# KiCad board antmicro-hdmi-mipi-bridge-hw.kicad_pcb (continued)
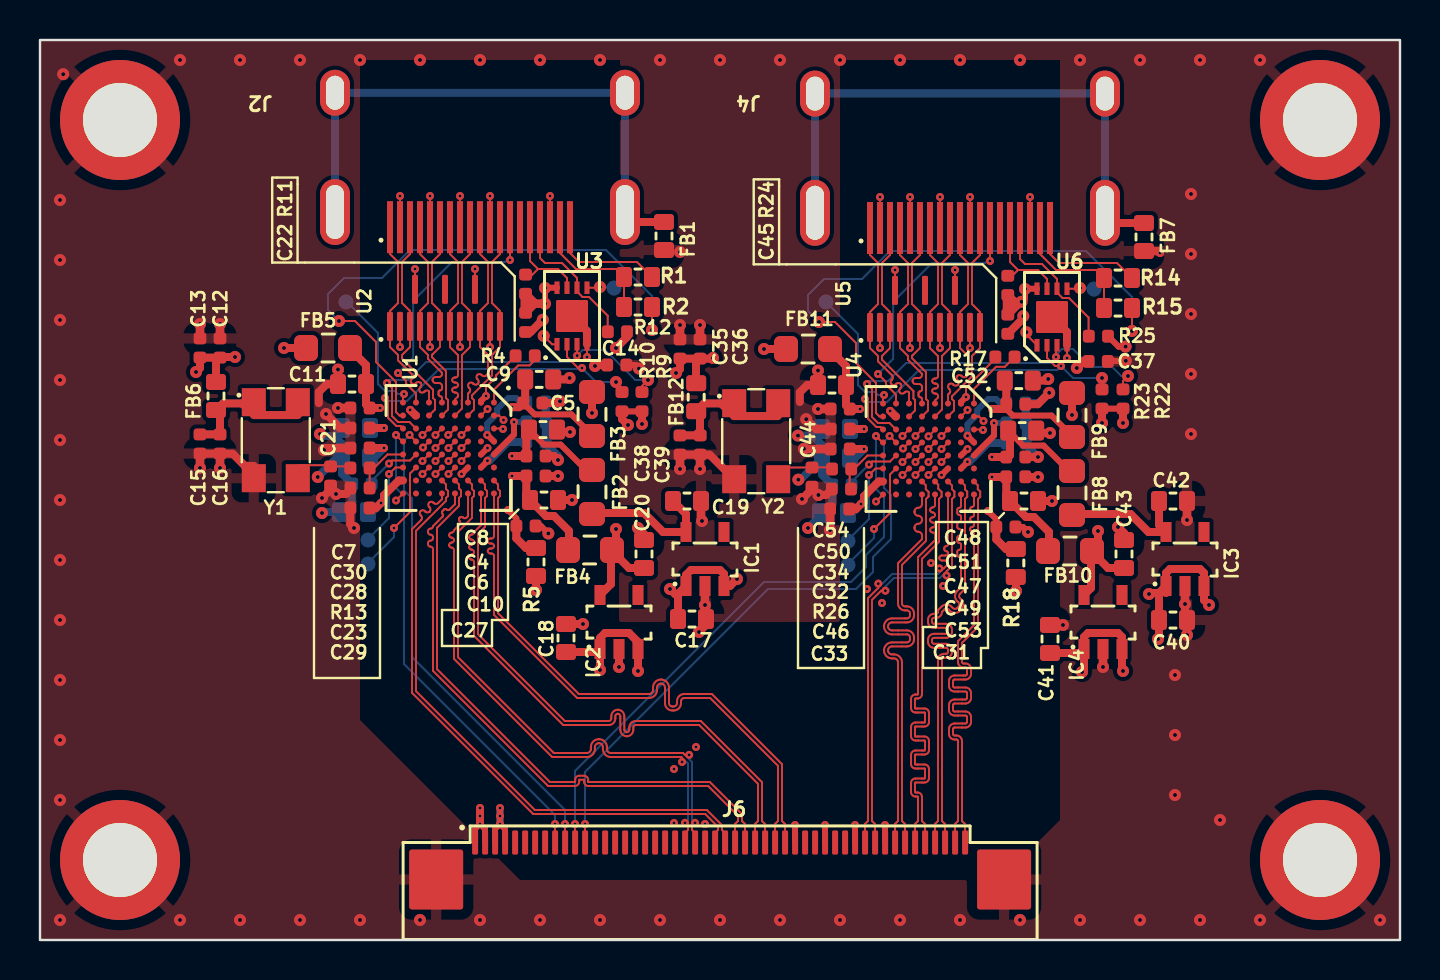
[diagram p0: board, top side]
## Library data of the parts (continued)
SP3 = -: Description: Spacer, SMT, Non Stop, Steel, Swage Round, 5.1 mm x 6 mm, M2.5 Thread, WA-SMSI Series; Author: Antmicro; License: Apache-2.0; MPN: 9774060151R; Manufacturer: Würth Elektronik; Public: False; Field10: License: Apache-2.0; Field11: Author: Antmicro
SP4 = -: Description: Spacer, SMT, Non Stop, Steel, Swage Round, 5.1 mm x 6 mm, M2.5 Thread, WA-SMSI Series; Author: Antmicro; License: Apache-2.0; MPN: 9774060151R; Manufacturer: Würth Elektronik; Public: False; Field9: Author: Antmicro; Field10: License: Apache-2.0
TP1 TP5 TP8 = -: Description: SMT test point; Author: Antmicro; License: Apache-2.0; Public: False; Field10: Author: Antmicro; Field11: License: Apache-2.0
TP2 = -: Description: SMT test point; Author: Antmicro; License: Apache-2.0; Public: False; Field10: License: Apache-2.0; Field12: Author: Antmicro
TP3 = -: Description: SMT test point; Author: Antmicro; License: Apache-2.0; Public: False; Field10: License: Apache-2.0; Field11: Author: Antmicro
TP4 TP6 TP7 = -: Description: SMT test point; Author: Antmicro; License: Apache-2.0; Public: False; Field11: Author: Antmicro; Field12: License: Apache-2.0
U1 = -: Description: HDMI to MIPI CSI-2 bridge. Supports HDMI 1.4. MIPI CSI-2 compliant. 80-Pin VFBGA; Author: Antmicro; License: Apache-2.0; Manufacturer: Toshiba; Field8: Author: Antmicro; Field9: License: Apache-2.0
U2 = -: Description: TVS diode array, 8 kV, R-PDSO-N15, 5.5 V, 0.8 pF; Author: Antmicro; License: Apache-2.0; Manufacturer: Texas Instruments; Field8: License: Apache-2.0; Field10: Author: Antmicro
U3 = -: Description: Level Translating I2C-Bus Repeater, 2 Inputs, 0.9 V to 5.5 V Supply, 50 mA Out, HWSON-8; Author: Antmicro; License: Apache-2.0; Manufacturer: NXP; Field8: .; Field9: Author: Antmicro; Field11: License: Apache-2.0
U4 = -: Description: HDMI to MIPI CSI-2 bridge. Supports HDMI 1.4. MIPI CSI-2 compliant. 80-Pin VFBGA; Author: Antmicro; License: Apache-2.0; Manufacturer: Toshiba; Field8: Author: Antmicro; Field10: License: Apache-2.0
U5 = -: Description: TVS diode array, 8 kV, R-PDSO-N15, 5.5 V, 0.8 pF; Author: Antmicro; License: Apache-2.0; Manufacturer: Texas Instruments; Field8: Author: Antmicro; Field9: License: Apache-2.0
U6 = -: Description: Level Translating I2C-Bus Repeater, 2 Inputs, 0.9 V to 5.5 V Supply, 50 mA Out, HWSON-8; Author: Antmicro; License: Apache-2.0; Manufacturer: NXP; Field8: .; Field10: License: Apache-2.0; Field11: Author: Antmicro
Y1 = -: Description: Oscillator, 27 MHz, 50 ppm, SMT, 5mm x 3.2mm, 3.3 V, 7C Series; Author: Antmicro; License: Apache-2.0; MPN: 7C-27.000MBB-T; Manufacturer: TXC; Public: False; Val: 27 MHz; Field11: License: Apache-2.0; Field12: Author: Antmicro
Y2 = -: Description: Oscillator, 27 MHz, 50 ppm, SMT, 5mm x 3.2mm, 3.3 V, 7C Series; Author: Antmicro; License: Apache-2.0; MPN: 7C-27.000MBB-T; Manufacturer: TXC; Public: False; Val: 27 MHz; Field10: License: Apache-2.0; Field12: Author: Antmicro

## Footprints (pads in the part's own frame, mm; a bottom-side part is the same pattern mirrored in y, then rotated)
BGA-64_8x8_6.0x6.0mm
  round 0.3 smd: A1(-2.275,2.275) A2(-1.625,2.275) A3(-0.975,2.275) A4(-0.326,2.275) A5(0.325,2.275) A6(0.974,2.275) A7(1.624,2.275) A8(2.274,2.275) B1(-2.275,1.625) B2(-1.625,1.625) B3(-0.975,1.625) B4(-0.326,1.625) B5(0.325,1.625) B6(0.974,1.625) B7(1.624,1.625) B8(2.274,1.625) C1(-2.275,0.975) C2(-1.625,0.975) C3(-0.975,0.975) C4(-0.326,0.975) C5(0.325,0.975) C6(0.974,0.975) C7(1.624,0.975) C8(2.274,0.975) D1(-2.275,0.326) D2(-1.625,0.326) D3(-0.975,0.326) D4(-0.326,0.326) D5(0.325,0.326) D6(0.974,0.326) D7(1.624,0.326) D8(2.274,0.326) E1(-2.275,-0.325) E2(-1.625,-0.325) E3(-0.975,-0.325) E4(-0.326,-0.325) E5(0.325,-0.325) E6(0.974,-0.325) E7(1.624,-0.325) E8(2.274,-0.325) F1(-2.275,-0.974) F2(-1.625,-0.974) F3(-0.975,-0.974) F4(-0.326,-0.974) F5(0.325,-0.974) F6(0.974,-0.974) F7(1.624,-0.974) F8(2.274,-0.974) G1(-2.275,-1.624) G2(-1.625,-1.624) G3(-0.975,-1.624) G4(-0.326,-1.624) G5(0.325,-1.624) G6(0.974,-1.624) G7(1.624,-1.624) G8(2.274,-1.624) H1(-2.275,-2.274) H2(-1.625,-2.274) H3(-0.975,-2.274) H4(-0.326,-2.274) H5(0.325,-2.274) H6(0.974,-2.274) H7(1.624,-2.274) H8(2.274,-2.274)
C_0402_1005Metric
  rrect 0.59x0.64 smd: 1(-0.48,0) 2(0.48,0)
C_0603_1608Metric
  rrect 0.8x1 smd: 1(-0.7,0) 2(0.7,0)
Conn_FFC_WE_68715014x22
  rrect 0.3x1.2 smd: 1(-12.25,2.15) 2(-11.75,2.15) 3(-11.25,2.15) 4(-10.75,2.15) 5(-10.25,2.15) 6(-9.75,2.15) 7(-9.25,2.15) 8(-8.75,2.15) 9(-8.25,2.15) 10(-7.75,2.15) 11(-7.25,2.15) 12(-6.75,2.15) 13(-6.25,2.15) 14(-5.75,2.15) 15(-5.25,2.15) 16(-4.75,2.15) 17(-4.25,2.15) 18(-3.75,2.15) 19(-3.25,2.15) 20(-2.75,2.15) 21(-2.25,2.15) 22(-1.75,2.15) 23(-1.25,2.15) 24(-0.75,2.15) 25(-0.25,2.15) 26(0.248,2.15) 27(0.748,2.15) 28(1.249,2.15) 29(1.749,2.15) 30(2.249,2.15) 31(2.749,2.15) 32(3.249,2.15) 33(3.749,2.15) 34(4.248,2.15) 35(4.748,2.15) 36(5.248,2.15) 37(5.749,2.15) 38(6.249,2.15) 39(6.749,2.15) 40(7.249,2.15) 41(7.749,2.15) 42(8.249,2.15) 43(8.749,2.15) 44(9.249,2.15) 45(9.749,2.15) 46(10.249,2.15) 47(10.749,2.15) 48(11.249,2.15) 49(11.749,2.15) 50(12.249,2.15)
  rrect 2.7x3 smd: MP1(-14.198,0.3) MP2(14.198,0.3)
FB_0603_1608Metric
  rrect 0.8x1 smd: 1(-0.7,0) 2(0.7,0)
FB_0805_2012Metric
  rrect 1.2x1.3 smd: 1(-1.1,0) 2(1.1,0)
HDMI-A_Receptacle_Molex_471511001
  rect 0.3x2.6 smd: 1(4.499,5.056) 2(3.999,5.056) 3(3.499,5.056) 4(2.999,5.056) 5(2.499,5.056) 6(1.999,5.056) 7(1.499,5.056) 8(0.998,5.056) 9(0.498,5.056) 10(0,5.056) 11(-0.5,5.056) 12(-1.002,5.056) 13(-1.5,5.056) 14(-2.001,5.056) 15(-2.501,5.056) 16(-3,5.056) 17(-3.501,5.056) 18(-4,5.056) 19(-4.502,5.056)
  oval 1.5x3.3 hole 0.9x2.7: SH(-7.25,4.297) SH(7.249,4.297)
  oval 1.5x2.3 hole 0.9x1.7: SH(-7.25,-1.664) SH(7.249,-1.664)
Oscillator_SMD_TXC_7C_5x3.2x1.2mm
  rect 1.2x1.4 smd: 1(-1.099,1.9) 2(-1.1,-1.9) 3(1.099,-1.9) 4(1.1,1.9)
R-PDSO-N15
  rrect 1.45x0.3 smd: 1(-0.95,2.75) 2(-0.95,2.25) 3(-0.95,1.75) 4(-0.95,1.25) 5(-0.95,0.75) 6(-0.95,0.25) 7(-0.95,-0.247) 8(-0.95,-0.747) 9(-0.95,-1.249) 10(-0.95,-1.749) 11(-0.95,-2.249) 12(-0.95,-2.749) 13(0.901,-1.499) 14(0.901,0) 15(0.901,1.5)
R_0402_1005Metric
  rrect 0.59x0.64 smd: 1(-0.48,0) 2(0.48,0)
R_0603_1608Metric
  rrect 0.8x1 smd: 1(-0.7,0) 2(0.7,0)
SOT1069-2
  rect 0.25x0.625 smd: 1(-0.75,-1.411) 2(-0.25,-1.411) 3(0.25,-1.411) 4(0.75,-1.411) 5(0.75,1.414) 6(0.25,1.414) 7(-0.25,1.414) 8(-0.75,1.414)
  rrect 1.6x1.6 smd: 9(0,0)
SOT-23-5
  rect 1x0.55 smd: 1(-1.351,0.951) 2(-1.351,0) 3(-1.351,-0.949) 4(1.35,-0.949) 5(1.35,0.951)
Spacer_Drill3.7mm_H6mm_9774060151R
  custom 2.563x2.563 smd: (-1.71,-1.699) (-1.71,1.71) (1.699,-1.699) (1.699,1.71)
  round 6 hole 3.7: 1(-0.001,0)
TP_SMD_0.75mm
  round 0.75 smd: 1(0,0)

## Nets
+3V3: C12.2 C13.2 C14.1 C17.2 C18.2 C35.2 C36.2 C37.1 C40.2 C41.2 FB6.1 FB12.1 IC1.1 IC1.3 IC2.1 IC2.3 IC3.1 IC3.3 IC4.1 IC4.3 J6.3 J6.4 R3.2 R6.2 R7.2 R8.2 R9.2 R10.2 R16.2 R19.2 R20.2 R21.2 R22.2 R23.2 U2.13 U2.15 U3.1 U5.13 U5.15 U6.1
+5V: C22.2 C45.2 J6.1 J6.2 R11.2 R12.2 R24.2 R25.2 U3.8 U6.8
GND: C1.1 C2.1 C3.1 C4.2 C5.2 C6.2 C7.2 C8.1 C9.1 C10.1 C11.1 C12.1 C13.1 C14.2 C15.1 C16.1 C17.1 C18.1 C19.1 C20.1 C21.1 C22.1 C23.1 C24.1 C25.1 C26.1 C27.1 C28.1 C29.1 C30.1 C31.1 C32.1 C33.1 C34.1 C35.1 C36.1 C37.2 C38.1 C39.1 C40.1 C41.1 C42.1 C43.1 C44.1 C45.1 C46.1 C47.2 C48.2 C49.2 C50.2 C51.1 C52.1 C53.1 C54.1 FB1.1 FB7.1 IC1.2 IC2.2 IC3.2 IC4.2 J2.2 J2.5 J2.8 J2.11 J2.17 J4.2 J4.5 J4.8 J4.11 J4.17 J6.33 J6.36 J6.39 J6.42 J6.MP1 J6.MP2 SP1.1 SP2.1 SP3.1 SP4.1 U1.A2 U1.A3 U1.C4 U1.C5 U1.D4 U1.D5 U1.D6 U1.E3 U1.E4 U1.E5 U1.E6 U1.H8 U2.2 U2.5 U2.8 U2.11 U3.4 U3.9 U4.A2 U4.A3 U4.C4 U4.C5 U4.D4 U4.D5 U4.D6 U4.E3 U4.E4 U4.E5 U4.E6 U4.H8 U5.2 U5.5 U5.8 U5.11 U6.4 U6.9 Y1.2 Y2.2
/Channel 1/CH1_AVDD33: C30.2 R4.2 R8.1 U1.B1 U1.F3
/Channel 1/CH1_REFCLK: C23.2 R13.2 U1.H5
/Channel 1/CH1_~{RST}: R3.1 U1.G5
/Channel 1/DUMMY1: J2.14
/Channel 1/HDMI1_CEC: J2.13 U1.G1
/Channel 1/HDMI1_CLK_N: J2.12 U1.C2 U2.12
/Channel 1/HDMI1_CLK_P: J2.10 U1.C1 U2.10
/Channel 1/HDMI1_D0_N: J2.9 U1.D2 U2.9
/Channel 1/HDMI1_D0_P: J2.7 U1.D1 U2.7
/Channel 1/HDMI1_D1_N: J2.6 U1.E2 U2.6
/Channel 1/HDMI1_D1_P: J2.4 U1.E1 U2.4
/Channel 1/HDMI1_D2_N: J2.3 U1.F2 U2.3
/Channel 1/HDMI1_D2_P: J2.1 U1.F1 U2.1
/Channel 1/HDMI1_DDC_SCL: J2.15 R11.1 U3.7
/Channel 1/HDMI1_DDC_SCL_3V3: R10.1 U1.H3 U3.2
/Channel 1/HDMI1_DDC_SDA: J2.16 R12.1 U3.6
/Channel 1/HDMI1_DDC_SDA_3V3: R9.1 U1.G3 U3.3
/Channel 1/HDMI1_HPD: J2.19 R1.2
/Channel 1/HDMI1_HPDI: R2.2 U1.H2
/Channel 1/HDMI1_HPDO: TP3.1 U1.H1
/Channel 1/HDMI1_POWER: J2.18 R1.1 R2.1
/Channel 2/CH2_AVDD33: C34.2 R17.2 R21.1 U4.B1 U4.F3
/Channel 2/CH2_REFCLK: C46.2 R26.2 U4.H5
/Channel 2/CH2_~{RST}: R16.1 U4.G5
/Channel 2/DUMMY2: J4.14
/Channel 2/HDMI2_CEC: J4.13 U4.G1
/Channel 2/HDMI2_CLK_N: J4.12 U4.C2 U5.12
/Channel 2/HDMI2_CLK_P: J4.10 U4.C1 U5.10
/Channel 2/HDMI2_D0_N: J4.9 U4.D2 U5.9
/Channel 2/HDMI2_D0_P: J4.7 U4.D1 U5.7
/Channel 2/HDMI2_D1_N: J4.6 U4.E2 U5.6
/Channel 2/HDMI2_D1_P: J4.4 U4.E1 U5.4
/Channel 2/HDMI2_D2_N: J4.3 U4.F2 U5.3
/Channel 2/HDMI2_D2_P: J4.1 U4.F1 U5.1
/Channel 2/HDMI2_DDC_SCL: J4.15 R24.1 U6.7
/Channel 2/HDMI2_DDC_SCL_3V3: R23.1 U4.H3 U6.2
/Channel 2/HDMI2_DDC_SDA: J4.16 R25.1 U6.6
/Channel 2/HDMI2_DDC_SDA_3V3: R22.1 U4.G3 U6.3
/Channel 2/HDMI2_HPD: J4.19 R14.2
/Channel 2/HDMI2_HPDI: R15.2 U4.H2
/Channel 2/HDMI2_HPDO: TP7.1 U4.H1
/Channel 2/HDMI2_POWER: J4.18 R14.1 R15.1
/CSI/CSI2_CLK_N: J6.38
/CSI/CSI2_CLK_P: J6.37
/CSI/CSI2_D1_N: J6.35
/CSI/CSI2_D1_P: J6.34
/CSI/GPIO1: J6.20
/CSI/GPIO2: J6.19
/CSI/GPIO3: J6.18
/CSI/GPIO4: J6.17
/CSI/SPI_CS: J6.5
/CSI/SPI_MISO: J6.7
/CSI/SPI_MOSI: J6.6
/CSI/SPI_SCK: J6.8
/CSI/UART3_RX: J6.15
/CSI/UART3_TX: J6.16
/CSI/UART4_RX: J6.13
/CSI/UART4_TX: J6.14
CH1_1V2: C20.2 FB3.2 FB4.2 FB5.2 IC2.5
CH1_2V5: C19.2 FB2.2 IC1.5
CH2_1V2: C43.2 FB9.2 FB10.2 FB11.2 IC4.5
CH2_2V5: C42.2 FB8.2 IC3.5
CSI1_CLK_N: J6.23 U1.C7
CSI1_CLK_P: J6.22 U1.C8
CSI1_D1_N: J6.26 U1.E7
CSI1_D1_P: J6.25 U1.E8
CSI1_D2_N: J6.28 U1.D7
CSI1_D2_P: J6.27 U1.D8
CSI1_D3_N: J6.30 U1.B7
CSI1_D3_P: J6.29 U1.B8
CSI1_D4_N: J6.32 U1.A7
CSI1_D4_P: J6.31 U1.A8
CSI3_CLK_N: J6.41 U4.C7
CSI3_CLK_P: J6.40 U4.C8
CSI3_D1_N: J6.44 U4.E7
CSI3_D1_P: J6.43 U4.E8
CSI3_D2_N: J6.46 U4.D7
CSI3_D2_P: J6.45 U4.D8
CSI3_D3_N: J6.48 U4.B7
CSI3_D3_P: J6.47 U4.B8
CSI3_D4_N: J6.50 U4.A7
CSI3_D4_P: J6.49 U4.A8
I2C1_SCL: J6.9 U1.H4
I2C1_SDA: J6.10 U1.G4
I2C3_SCL: J6.11 U4.H4
I2C3_SDA: J6.12 U4.G4
Net-(C5-Pad1): C5.1 C9.2 FB3.1 U1.B2 U1.D3
Net-(C10-Pad2): C6.1 C10.2 FB4.1 U1.C6 U1.F6
Net-(C27-Pad2): C27.2 R5.1 U1.C3 U1.F5
Net-(C31-Pad2): C31.2 R18.1 U4.C3 U4.F5
Net-(C48-Pad1): C48.1 C52.2 FB9.1 U4.B2 U4.D3
Net-(C49-Pad1): C49.1 C53.2 FB10.1 U4.C6 U4.F6
Net-(FB1-Pad2): FB1.2 J2.SH
Net-(FB7-Pad2): FB7.2 J4.SH
Net-(U1A-EDID_SCL): TP2.1 U1.H6
Net-(U1A-EDID_SDA): TP1.1 U1.G6
Net-(U1B-AVDD25): C4.1 C8.2 FB2.1 U1.B5
Net-(U1B-REXT): R4.1 U1.A1
Net-(U1B-VDDC1): C7.1 C11.2 FB5.1 R5.2 U1.G2
Net-(U1B-VDDIO1): C28.2 R6.1 U1.F4
Net-(U1B-VDDIO2): C29.2 R7.1 U1.H7
Net-(U1C-BIASDA): C1.2 U1.A4
Net-(U1C-DAOUT): C2.2 U1.A5
Net-(U1C-PCKIN): C3.2 U1.B6
Net-(U3-EN): TP4.1 U3.5
Net-(U4A-EDID_SCL): TP6.1 U4.H6
Net-(U4A-EDID_SDA): TP5.1 U4.G6
Net-(U4B-AVDD25): C47.1 C51.2 FB8.1 U4.B5
Net-(U4B-REXT): R17.1 U4.A1
Net-(U4B-VDDC1): C50.1 C54.2 FB11.1 R18.2 U4.G2
Net-(U4B-VDDIO1): C32.2 R19.1 U4.F4
Net-(U4B-VDDIO2): C33.2 R20.1 U4.H7
Net-(U4C-BIASDA): C24.2 U4.A4
Net-(U4C-DAOUT): C25.2 U4.A5
Net-(U4C-PCKIN): C26.2 U4.B6
Net-(U6-EN): TP8.1 U6.5
Net-(Y1-EN): C15.2 C16.2 FB6.2 Y1.1 Y1.4
Net-(Y1-OUT): C21.2 R13.1 Y1.3
Net-(Y2-EN): C38.2 C39.2 FB12.2 Y2.1 Y2.4
Net-(Y2-OUT): C44.2 R26.1 Y2.3

Pads without a net: IC1 4; IC2 4; IC3 4; IC4 4; J6 21 24; U1 A6 B3 B4 F7 F8 G7 G8; U2 14; U4 A6 B3 B4 F7 F8 G7 G8; U5 14

## Via types
v1: diameter 0.4, hole 0.15, Top to Bottom, 147 vias
v2: diameter 0.6, hole 0.2, Top to Bottom, 165 vias

## Routing (per net, layer and track width the routed paths; a pad name or vN(x,y) marks a point on that pad's centre or on a via; arc(x,y) is an arc through that point)
+3V3: length 68.6
  Top w0.1: v2(49.32,30.39) 49.32,30.27 U6.1 49.85,29.74 ; 18.75,32.53 v1(18.75,33.55) ; 21.75,32.53 v1(21.75,33.55) ; 42.75,32.47 v1(42.75,33.5) ; 45.75,32.47 v1(45.75,33.5) ; U3.1 25.6,29.79 v2(25.18,30.21)
  Top w0.3: 29.1,26.43 30.1,26.43 ; v1(23,5.8) 22.75,5.55 22.75,4.9 ; v1(23,5.8) 23.25,5.55 23.25,4.9 ; v1(23,5.8) v1(23,6.2) v1(23,6.6) ; 53.1,26.56 54.15,26.56
  Top w0.4: C18.2 27.85,14.4 28,14.55 ; 28,14.55 v2(28,13.5) ; 28,14.55 28,15.1 28.25,15.35 29.45,15.35 29.9,14.9 v2(29.9,13.45) ; v2(9.75,29.15) 9.03,29.15 ; v2(52.1,13.4) 52.2,13.5 52.2,14.55 ; 52.2,14.55 52.2,15.15 52.4,15.35 53.9,15.35 54.1,15.15 54.1,13.5 v2(54.15,13.45) ; 52.2,14.55 52,14.35 C41.2 ; 31.9,17.3 31.75,17.3 v2(31.5,17.55) ; 31.9,17.3 C17.2 ; 31.9,17.3 IC1.1 32.3,18.25 32.55,18.5 34,18.5 34.2,18.3 IC1.3 34.5,17.7 v2(34.85,18.05) ; 28.31,28.75 27.8,28.75 v2(27.75,28.7) ; 33,29.06 32,29.06 32,28.55 v2(31.8,28.35) ; 33,29.06 32.8,28.86 32.8,27.88 ; 33,29.06 33.62,29.06 v2(33.65,29.1) ; 54.15,26.56 v2(54.15,25.85) ; 29.1,26.43 29.1,26.05 v2(29.4,25.75) ; 8.8,27.92 8.8,28.92 9,29.11 8,29.11 8,28.6 v2(7.8,28.4) ; v2(55.9,15.05) 55.95,15.1 C40.2 55.95,17.35 ; 55.95,17.35 55.5,17.35 v2(55.45,17.3) ; 55.95,17.35 IC3.1 ; IC3.1 56.3,17.35 ; IC3.1 56.3,18.35 56.5,18.55 58,18.55 58.2,18.35 IC3.3 58.2,17 v2(58.45,16.75) ; 30.1,26.43 v2(30.1,25.8) ; v2(51.84,28.6) 52.19,28.95 52.31,28.95 ; v2(53.1,25.85) 53.1,26.56
  Bottom w0.4: R21.2 38.7,25.15 ; 38.7,25.15 39.1,24.75 39.1,23.27 39.62,22.75 39.62,21.86 39.11,21.35 R20.2 ; 38.7,25.15 38.63,25.22 v2(37.9,25.22) ; 39,21.2 v2(38.4,20.6) ; R8.2 14.7,25.2 ; 14.7,25.2 14.1,25.2 v2(14,25.3) ; 14.7,25.2 15.1,24.8 R6.2 ; v1(23,5.8) v1(23,6.6) ; v2(37.92,23.02) 38.02,23.02 R19.2 ; R6.2 14.84,24.1 v2(13.89,23.15) ; R6.2 15.1,23.31 15.62,22.8 15.62,21.91 15.11,21.4 R7.2 14.15,21.4 v2(14.1,21.35)
+5V: length 13.7
  Top w0.3: 49.85,32.56 49.26,32.56 v2(49.25,32.55) 49.25,32.08 v2(49.08,31.91) ; v2(25.25,31.81) v2(25.25,32.6) 25.26,32.61 25.85,32.61 ; 24.28,32.3 R11.2 ; 21.75,4.9 21.75,5.55 v1(22,5.8) 22.25,5.55 22.25,4.9 ; v2(54.28,29.67) 53.93,29.67 53.41,30.19
  Top w0.4: R24.2 48.73,31.91 v2(49.08,31.91) 49.03,31.91 C45.2 ; C22.2 24.74,31.81 v2(25.25,31.81) 24.78,31.81 R11.2 ; v1(22,6.6) v1(22,6.2) v1(22,5.8) ; 29.35,30.41 29.35,30.16 v2(28.8,29.6)
  Top w0.5: C22.2 24.28,32.3 ; C45.2 R24.2
GND: length 101.9
  Top w0.1: C54.1 38.84,27.75 ; v1(47.15,25.5) 47.12,25.53 U4.A3 ; 20.1,24.92 v1(19.78,24.6) ; U4.E6 v1(43.78,23.25) ; 19.5,30.67 v1(19.5,29.65) ; U4.C5 v1(45.07,23.9) ; 20.75,23.62 v1(20.43,23.3) ; 46.5,30.62 v1(46.5,29.6) ; 45,36.4 v1(45,37.15) ; v1(47.18,25.95) 46.95,26.17 U4.A2 ; 44.75,23.58 v1(44.43,23.25) ; 42,30.62 v1(42,29.6) ; v1(23.15,25.55) 23.12,25.58 22.7,25.58 ; 22.7,26.22 22.95,26.22 v1(23.18,26) ; 18.15,22.33 v1(17.8,21.97) ; U4.C4 v1(45.07,24.55) ; 42,36.4 v1(42,37.15) ; 20.1,23.62 v1(19.78,23.3) ; 43.5,30.62 v1(43.5,29.6) ; 49.5,36.4 v1(49.5,37.15) ; 19.5,36.45 v1(19.5,37.2) ; U3.4 v1(27.35,29.15) ; 44.75,24.88 v1(44.43,24.55) ; 21.4,24.28 v1(21.07,23.95) ; 21.4,24.92 v1(21.07,24.6) ; 20.1,25.58 v1(19.78,25.25) ; 22.5,30.67 v1(22.5,29.65) ; U4.E3 v1(43.78,25.2) ; 22.5,36.45 v1(22.5,37.2) ; 42.15,22.28 v1(41.8,21.92) ; 45,30.62 v1(45,29.6) ; 21,30.67 v1(21,29.65) ; 43.5,36.4 v1(43.5,37.15) ; 18,36.45 v1(18,37.2) ; 20.75,24.28 v1(20.43,23.95) ; 20.75,24.92 v1(20.43,24.6) ; U4.E4 v1(43.78,24.55) ; 18,30.67 v1(18,29.65) ; 44.75,24.22 v1(44.43,23.9) ; 20.1,24.28 v1(19.78,23.95) ; 25.5,36.45 v1(25.5,37.2) ; U4.E5 v1(43.78,23.9) ; 46.5,36.4 v1(46.5,37.15) ; 21,36.45 v1(21,37.2) ; 51.35,29.74 v1(51.35,29.1)
  Top w0.3: 40.75,4.9 v1(40.75,5.75) ; v2(49.4,20.4) 49.15,20.65 48.78,20.65 ; v2(29.95,28.57) 29.77,28.75 29.28,28.75 ; 53.28,28.95 54.28,28.95 v2(54.29,28.96) ; 37.75,4.9 v1(37.75,5.75) ; 39.25,4.9 v1(39.25,5.75) ; 24.78,20.7 25.05,20.7 v2(25.42,20.33) ; 42.25,4.9 v1(42.25,5.75)
  Top w0.4: v2(14.9,28.53) C11.1 14.34,27.8 13.94,27.4 13.94,26.84 ; v2(25.14,31.01) 24.53,30.4 C22.1 ; 39.51,21.55 39.51,20.52 v2(39.5,20.5) ; v2(14.1,22.1) 14.6,22.6 14.6,22.72 ; C40.1 v2(57.35,15.25) ; C8.1 25.97,25.4 v2(26.5,25.4) ; 33,24.27 v2(33,23.55) ; 33,24.27 32,24.27 v2(32,23.55) ; 33,24.27 33.49,24.27 Y2.2 ; v2(50.41,28.05) 50.33,27.97 C52.1 ; 15.51,21.6 15.51,20.78 v2(15.7,20.6) ; 39.51,22.47 39.3,22.25 v2(38.92,22.25) ; C45.1 49.16,31.08 v2(49.16,31.2) ; C54.1 v2(38.9,28.47) ; C41.1 v2(51.15,15.75) ; v2(26,26.94) 25.91,26.85 C5.2 ; v2(8,23.6) 8,24.31 9,24.31 ; 8,30.08 v2(8,30.8) ; C48.2 49.89,26.79 v2(50.46,27.36) ; C42.1 v2(57.35,21) ; 49.28,23.15 v2(49.9,23.15) ; 49.28,24.15 v2(49.9,24.15) ; U3.4 27.35,30.45 U3.9 ; 51.35,29.74 51.35,30.4 U6.9 ; C9.1 26.41,28.03 v2(26.48,28.1) ; 53.15,14.55 v2(53.15,13.65) ; IC3.2 v2(57.25,16.8) 57.25,16.1 ; v2(14.3,26.3) 15,25.6 15.51,25.6 ; 9,24.31 9.64,24.31 10.24,23.71 10.69,23.71 ; 9,24.31 v2(9,23.6) ; 39.51,26.55 v2(38.9,26.55) ; IC1.2 v2(33.25,16.75) 33.3,16.7 C17.1 33.3,15.75 v2(32.95,15.4) ; 37.99,26.9 37.99,27.38 38.36,27.75 38.84,27.75 ; C43.1 54.2,20.35 v2(53.9,20.65) ; v2(38.1,22.05) 38.6,22.55 C44.1 ; v2(33.1,20.95) 33.05,21 C19.1 ; C18.1 v2(27.15,15.8) ; 32,30.03 v2(32,30.75) ; 33,30.03 v2(33,30.75) ; v2(38.31,26.04) 38.8,25.55 39.51,25.55 ; 28.95,14.55 v2(28.95,13.65) ; 9,30.08 v2(9,30.8) ; v1(56,34.35) 55.9,34.45 FB7.1 ; v2(14.8,22.3) 15.3,22.3 15.51,22.52 ; 49.9,25.35 v2(50.5,25.35) ; 25.28,23.2 v2(25.9,23.2) ; 39.51,24.55 38.21,24.55 v2(38.2,24.56) ; 15.51,26.6 v2(14.9,26.6) ; v2(14.2,24.5) 14.3,24.6 15.51,24.6 ; v2(25.9,24) 25.7,24.2 25.28,24.2 ; C20.1 30.2,20.3 v2(29.9,20.6) ; C10.1 v2(26.6,22) ; C53.1 v2(50.6,21.95)
  Bottom w0.4: 25.28,25.9 25.4,25.9 25.9,25.4 v2(26.5,25.4) ; 25.28,25.9 25.28,26.9 25.96,26.9 v2(26,26.94) ; 25.28,25.9 25.28,24.9 ; v2(50.46,27.36) 49.95,26.85 49.28,26.85 49.28,25.85 ; v2(50.5,25.35) 49.9,25.35 49.4,25.85 49.28,25.85 ; 49.28,25.85 49.28,24.85 ; 25.28,24.81 25.9,24.2 v2(25.9,24) ; 49.28,24.77 v2(49.9,24.15)
  vias: v1(31.7,8.55) v1(31.7,5.85) v1(32.8,9.65) v1(33.25,5.8) v1(41.35,17.55) v1(42.1,16.85) v1(44.55,18.85) v1(45.15,17.7) v2(1,37) v2(1,34) v2(1,31) v2(1,28) v2(1,25) v2(1,22) v2(1,19) v2(1,16) v2(1,13) v2(1,10) v2(1,7) v2(1,1) v2(1.16,43.29) v2(7,44) v2(7,1) v2(10,44) v2(10,1) v2(13,44) v2(13,1) v2(16,44) v2(16,1) v2(19,44) v2(19,1) v2(22,44) v2(22,1) v2(25,44) v2(25,1) v2(28,44) v2(28,1) v2(31,44) v2(31,1) v2(32,34.4) v2(34,44) v2(34,1) v2(37,44) v2(37,1) v2(40,44) v2(40,1) v2(43,44) v2(43,1) v2(46,44) v2(46,1) v2(49,44) v2(49,1) v2(52,44) v2(52,1) v2(55,44) v2(55,1) v2(56.75,13.25) v2(56.75,10.25) v2(56.75,7.25) v2(57.55,37.3) v2(57.55,34.3) v2(57.55,31.3) v2(57.55,28.3) v2(57.55,25.3) v2(58,44) v2(58,1) v2(59,6) v2(61,44) v2(61,1) v2(67,1)
/Channel 1/CH1_AVDD33: length 11.7
  Top w0.1: 24.01,29.22 23.79,29.22 22.8,28.23 22.8,28.15 22.3,27.65 v1(22.3,27.2) ; 19.45,25.58 v1(19.12,25.25)
  Top w0.3: v1(22.3,27.2) 22.05,26.95 22.05,26.88
  Top w0.4: 16.49,25.6 v1(17.2,25.6)
  In2.Cu w0.4: v1(17.2,25.6) 17.36,25.76 18.76,25.76 18.9,25.9 ; 18.9,25.9 20.2,27.2 v1(22.3,27.2) ; 18.9,25.9 18.84,25.84 18.84,25.73 19.12,25.44 v1(19.12,25.25)
  Bottom w0.4: v1(17.2,25.6) R8.1
/Channel 1/CH1_REFCLK: length 2.7
  Top w0.1: 16.49,23.6 16.49,22.6 ; 16.7,23.6 17.38,24.28 18.15,24.28
/Channel 1/CH1_~{RST}: length 2.8
  Top w0.1: 18.8,24.28 18.5,23.97 17.6,23.97 v1(17.45,23.82)
  Bottom w0.1: 16.59,22.96 v1(17.45,23.82)
/Channel 1/HDMI1_CEC: length 13.1
  Top w0.1: J2.13 v1(23.5,34) ; 18.8,26.88 18.8,27.33 18.3,27.83 18.3,27.95 v1(17.9,28.35)
  Bottom w0.1: v1(17.9,28.35) 18.66,29.11 18.66,31.96 20.6,33.9 23.26,33.9 23.36,34 v1(23.5,34)
/Channel 1/HDMI1_CLK_N: length 10.5
  Top w0.1: 21.4,26.22 21.7,26.53 21.7,27 21.6,27.1 21.6,27.23 22.6,28.23 22.6,29.25 23,29.65 23,31.45 22.6,31.85 22.6,33.9 23,34.3 J2.12
/Channel 1/HDMI1_CLK_P: length 10.5
  Top w0.1: 21.4,26.88 21.4,27.32 21.47,27.38 arc(21.51,27.49) 21.47,27.6 21.44,27.62 arc(21.4,27.72) 21.44,27.83 arc(21.55,27.87) 21.66,27.83 21.68,27.81 arc(21.78,27.76) 21.89,27.81 arc(21.93,27.91) 21.89,28.02 21.87,28.04 arc(21.82,28.15) 21.87,28.25 arc(21.97,28.3) 22.08,28.25 22.1,28.23 arc(22.21,28.19) 22.32,28.23 22.4,28.32 22.4,29.25 22,29.65 22,31.45 22.4,31.85 22.4,33.9 22,34.3 J2.10
/Channel 1/HDMI1_D0_N: length 10.1
  Top w0.1: U1.D2 21.1,26.58 21.1,26.77 21.09,26.78 21.09,26.99 21.1,27 21.1,29.25 21.5,29.65 21.5,31.45 21.1,31.85 21.1,33.9 21.5,34.3 J2.9
/Channel 1/HDMI1_D0_P: length 10.1
  Top w0.1: 20.75,26.88 20.75,27.03 20.9,27.17 20.9,27.25 arc(20.86,27.34) 20.78,27.38 20.73,27.38 arc(20.65,27.41) 20.61,27.5 arc(20.65,27.59) 20.73,27.62 20.78,27.62 arc(20.86,27.66) 20.9,27.75 arc(20.86,27.84) 20.78,27.88 20.73,27.88 arc(20.65,27.91) 20.61,28 arc(20.65,28.09) 20.73,28.12 20.78,28.12 arc(20.86,28.16) 20.9,28.25 20.9,29.24 20.5,29.64 20.5,31.45 20.9,31.85 20.9,33.89 20.5,34.29 J2.7
/Channel 1/HDMI1_D1_N: length 10.4
  Top w0.1: 20.1,26.22 20.4,26.53 20.4,27 20.3,27.1 20.3,28.44 19.6,29.14 19.6,29.26 19.64,29.3 20,29.66 20,31.45 19.6,31.85 19.6,33.9 20,34.3 J2.6
/Channel 1/HDMI1_D1_P: length 10.4
  Top w0.1: J2.4 19,34.29 19.4,33.89 19.4,31.85 19,31.45 19,29.65 19.4,29.25 19.4,29.06 20.1,28.36 20.1,28.3 arc(20.06,28.19) 19.95,28.15 19.78,28.15 arc(19.67,28.11) 19.63,28 arc(19.67,27.89) 19.78,27.85 19.95,27.85 arc(20.06,27.81) 20.1,27.7 20.1,27.57 arc(20.07,27.51) 20.01,27.49 arc(19.95,27.46) 19.93,27.4 19.93,27.27 arc(19.95,27.21) 20.01,27.19 arc(20.07,27.16) 20.1,27.1 20.1,26.88
/Channel 1/HDMI1_D2_N: length 10.7
  Top w0.1: U1.F2 19.75,26.53 19.75,27 19.65,27.1 19.65,27.52 18.1,29.07 18.1,29.25 18.5,29.65 18.5,31.45 18.1,31.85 18.1,33.9 18.5,34.3 J2.3
/Channel 1/HDMI1_D2_P: length 10.7
  Top w0.1: 19.45,26.88 19.45,27.43 arc(19.34,27.48) 19.24,27.43 19.21,27.41 arc(19.11,27.37) 19,27.41 arc(18.96,27.52) 19,27.62 19.03,27.65 arc(19.07,27.75) 19.03,27.86 arc(18.92,27.9) 18.81,27.86 18.79,27.83 arc(18.68,27.79) 18.58,27.83 arc(18.53,27.94) 18.58,28.05 18.6,28.07 arc(18.65,28.18) 18.6,28.28 17.9,28.98 17.9,29.25 17.5,29.65 17.5,31.45 17.9,31.85 17.9,33.9 17.5,34.3 J2.1
/Channel 1/HDMI1_DDC_SCL: length 5.1
  Top w0.1: 24.9,33.55 25.9,33.55 26.35,33.1 26.35,32.61 ; 24.9,33.55 24.5,33.95 J2.15 ; 24.9,33.55 24.4,33.05
/Channel 1/HDMI1_DDC_SCL_3V3: length 16.6
  Top w0.1: v1(17.25,27.1) 17.4,26.95 17.4,26.12 17.82,25.7 18.03,25.7 18.15,25.58 ; U3.2 26.35,29.16 26.91,28.6 v1(27.1,28.6) ; v2(28.8,27.9) 29.1,27.6
  Bottom w0.1: v1(17.25,27.1) 17.4,26.95 18.35,26.95 19.95,28.55 27.05,28.55 v1(27.1,28.6) 27.8,27.9 v2(28.8,27.9)
/Channel 1/HDMI1_DDC_SDA: length 7.1
  Top w0.1: J2.16 25,34.1 25.25,33.85 26.1,33.85 26.85,33.1 26.85,32.61 ; 28.38,30.41 28.38,31.22 27.45,32.15 27.12,32.15 26.85,32.42
/Channel 1/HDMI1_DDC_SDA_3V3: length 18.9
  Top w0.1: U3.3 26.85,29.23 v1(26.86,29.22) ; v2(30.4,28) 30.1,27.7 30.1,27.4 ; 18.8,25.58 18.47,25.9 17.9,25.9 17.6,26.2 17.6,27.61 v1(17.35,27.85)
  Bottom w0.1: v1(17.35,27.85) 17.5,28 18.41,28 19.31,28.9 26.53,28.9 v1(26.86,29.22) 27.13,29.5 28.26,29.5 29.76,28 v2(30.4,28)
/Channel 1/HDMI1_HPD: length 5.9
  Top w0.1: J2.19 26.5,34.35 26.95,33.9 29.85,33.9 R1.2
/Channel 1/HDMI1_HPDI: length 29.1
  Top w0.1: R2.2 v2(30.6,30.5) ; U1.H2 17.97,26.22 17.8,26.4 17.8,27.9 16.8,28.9 16.8,29.9 15.75,30.95 v2(14.95,30.95)
  Bottom w0.1: v2(30.6,30.5) 30.6,32.2 28.3,34.5 18.5,34.5 17.1,33.1 15.2,33.1 14.4,32.3 14.4,31.5 v2(14.95,30.95)
/Channel 1/HDMI1_HPDO: length 6.8
  Top w0.1: 18.15,26.88 18.15,27.23 18.22,27.3 v1(18.2,27.3)
  Bottom w0.1: 15.3,31.95 16.9,30.35 16.9,27.8 17.25,27.45 17.75,27.45 17.9,27.3 v1(18.2,27.3)
/Channel 1/HDMI1_POWER: length 6.5
  Top w0.1: J2.18 26,34.35 26.8,33.55 28.8,33.55 R1.1 R2.1
/Channel 2/CH2_AVDD33: length 11.7
  Top w0.1: 48,29.14 47.78,29.14 R17.2 47.77,29.07 46.3,27.6 v1(46.3,27.15) ; 43.45,25.53 v1(43.12,25.2)
  Top w0.3: v1(46.3,27.15) 46.05,26.9 U4.B1
  Top w0.4: 40.49,25.55 v1(41.2,25.55)
  In2.Cu w0.4: v1(41.2,25.55) 41.36,25.71 42.76,25.71 42.9,25.85 ; v1(46.3,27.15) 44.2,27.15 42.9,25.85 ; 42.9,25.85 42.84,25.79 42.84,25.68 43.12,25.39 v1(43.12,25.2)
  Bottom w0.4: v1(41.2,25.55) R21.1
/Channel 2/CH2_REFCLK: length 2.7
  Top w0.1: 40.49,23.55 40.49,22.55 ; 42.15,24.22 41.38,24.22 40.7,23.55
/Channel 2/CH2_~{RST}: length 2.8
  Top w0.1: 42.8,24.22 42.5,23.92 41.6,23.92 v1(41.45,23.77)
  Bottom w0.1: 40.59,22.91 v1(41.45,23.77)
/Channel 2/HDMI2_CEC: length 13.1
  Top w0.1: 42.8,26.83 42.8,27.27 42.3,27.77 42.3,27.9 v1(41.9,28.3) ; 47.5,35.59 v1(47.5,33.95)
  Bottom w0.1: v1(41.9,28.3) 42.66,29.06 42.66,31.91 44.6,33.85 47.26,33.85 47.36,33.95 v1(47.5,33.95)
/Channel 2/HDMI2_CLK_N: length 10.5
  Top w0.1: 47,35.59 47,34.25 46.6,33.85 46.6,31.8 47,31.4 47,29.6 46.6,29.2 46.6,28.18 45.6,27.18 45.6,27.05 45.7,26.95 45.7,26.47 U4.C2
/Channel 2/HDMI2_CLK_P: length 10.5
  Top w0.1: 46,35.59 46,34.25 46.4,33.85 46.4,31.8 46,31.4 46,29.6 46.4,29.2 46.4,28.27 46.32,28.18 arc(46.21,28.14) 46.1,28.18 46.08,28.2 arc(45.97,28.25) 45.87,28.2 arc(45.82,28.1) 45.87,27.99 45.89,27.97 arc(45.93,27.86) 45.89,27.76 arc(45.78,27.71) 45.68,27.76 45.66,27.78 arc(45.55,27.82) 45.44,27.78 arc(45.4,27.67) 45.44,27.57 45.47,27.55 arc(45.51,27.44) 45.47,27.33 45.4,27.27 U4.C1
/Channel 2/HDMI2_D0_N: length 10.1
  Top w0.1: 45.5,35.59 45.5,34.25 45.1,33.85 45.1,31.8 45.5,31.4 45.5,29.6 45.1,29.2 45.1,26.53 44.75,26.17
/Channel 2/HDMI2_D0_P: length 10.1
  Top w0.1: 44.75,26.83 44.75,26.97 44.9,27.12 44.9,27.2 arc(44.86,27.29) 44.78,27.33 44.73,27.33 arc(44.65,27.36) 44.61,27.45 arc(44.65,27.54) 44.73,27.58 44.78,27.58 arc(44.86,27.61) 44.9,27.7 arc(44.86,27.79) 44.78,27.83 44.73,27.83 arc(44.65,27.86) 44.61,27.95 arc(44.65,28.04) 44.73,28.08 44.78,28.08 arc(44.86,28.11) 44.9,28.2 44.9,29.19 44.5,29.59 44.5,31.4 44.9,31.8 44.9,33.84 44.5,34.24 44.5,35.59
/Channel 2/HDMI2_D1_N: length 10.4
  Top w0.1: 44,35.59 44,34.25 43.6,33.85 43.6,31.8 44,31.4 44,29.61 43.64,29.25 43.6,29.21 43.6,29.09 44.3,28.39 44.3,27.05 44.4,26.95 44.4,26.47 U4.E2
/Channel 2/HDMI2_D1_P: length 10.4
  Top w0.1: 43,35.59 43,34.24 43.4,33.84 43.4,31.8 43,31.4 43,29.6 43.4,29.2 43.4,29.01 44.1,28.31 44.1,28.25 arc(44.06,28.14) 43.95,28.1 43.78,28.1 arc(43.67,28.06) 43.63,27.95 arc(43.67,27.84) 43.78,27.8 43.95,27.8 arc(44.06,27.76) 44.1,27.65 44.1,27.52 arc(44.07,27.46) 44.01,27.44 arc(43.95,27.41) 43.93,27.35 43.93,27.22 arc(43.95,27.16) 44.01,27.14 arc(44.07,27.11) 44.1,27.05 U4.E1
/Channel 2/HDMI2_D2_N: length 10.7
  Top w0.1: 43.45,26.17 43.75,26.47 43.75,26.7 43.75,26.7 43.75,27 43.67,27.08 43.67,27.45 42.1,29.02 42.1,29.2 42.5,29.6 42.5,31.4 42.1,31.8 42.1,33.85 42.5,34.25 42.5,35.59
/Channel 2/HDMI2_D2_P: length 10.7
  Top w0.1: 43.45,26.83 43.45,27.38 arc(43.34,27.43) 43.24,27.38 43.21,27.36 arc(43.11,27.32) 43,27.36 arc(42.96,27.47) 43,27.57 43.03,27.6 arc(43.07,27.7) 43.03,27.81 arc(42.92,27.85) 42.81,27.81 42.79,27.78 arc(42.68,27.74) 42.58,27.78 arc(42.53,27.89) 42.58,28 42.6,28.02 arc(42.65,28.13) 42.6,28.23 41.9,28.93 41.9,29.2 41.5,29.6 41.5,31.4 41.9,31.8 41.9,33.85 41.5,34.25 41.5,35.59
/Channel 2/HDMI2_DDC_SCL: length 5.1
  Top w0.1: 50.35,32.56 50.35,33.05 49.9,33.5 48.9,33.5 ; 48.4,33 48.9,33.5 ; 48.9,33.5 48.5,33.9 48.5,35.59
/Channel 2/HDMI2_DDC_SCL_3V3: length 17
  Top w0.1: 53.1,27.53 v2(53.1,28.1) ; v1(41.25,27.05) 41.4,26.9 41.4,26.07 41.82,25.65 42.03,25.65 42.15,25.53 ; v1(51.05,28.7) 50.76,28.7 50.35,29.11 50.35,29.74
  Bottom w0.1: v2(53.1,28.1) 51.65,28.1 v1(51.05,28.7) 50.85,28.5 43.95,28.5 42.35,26.9 41.4,26.9 v1(41.25,27.05)
/Channel 2/HDMI2_DDC_SDA: length 7.2
  Top w0.1: 52.43,30.35 52.43,31.12 51.45,32.1 51.12,32.1 50.85,32.38 ; 50.85,32.56 50.85,33.05 50.1,33.8 49.25,33.8 49,34.05 49,35.59
